# Altium PCB spin5v1_simple.PcbDoc (part 10 of 25)
Units mm, origin at the board's own origin, x right, y up, seen from the top; angles counter-clockwise.
Board outline 220.03 x 233.43 mm, 2 copper layers (TOP, BOTTOM), stack 0.176 mm thick; 1457 components, 4724 nets, 19245 pads, 25289 vias.
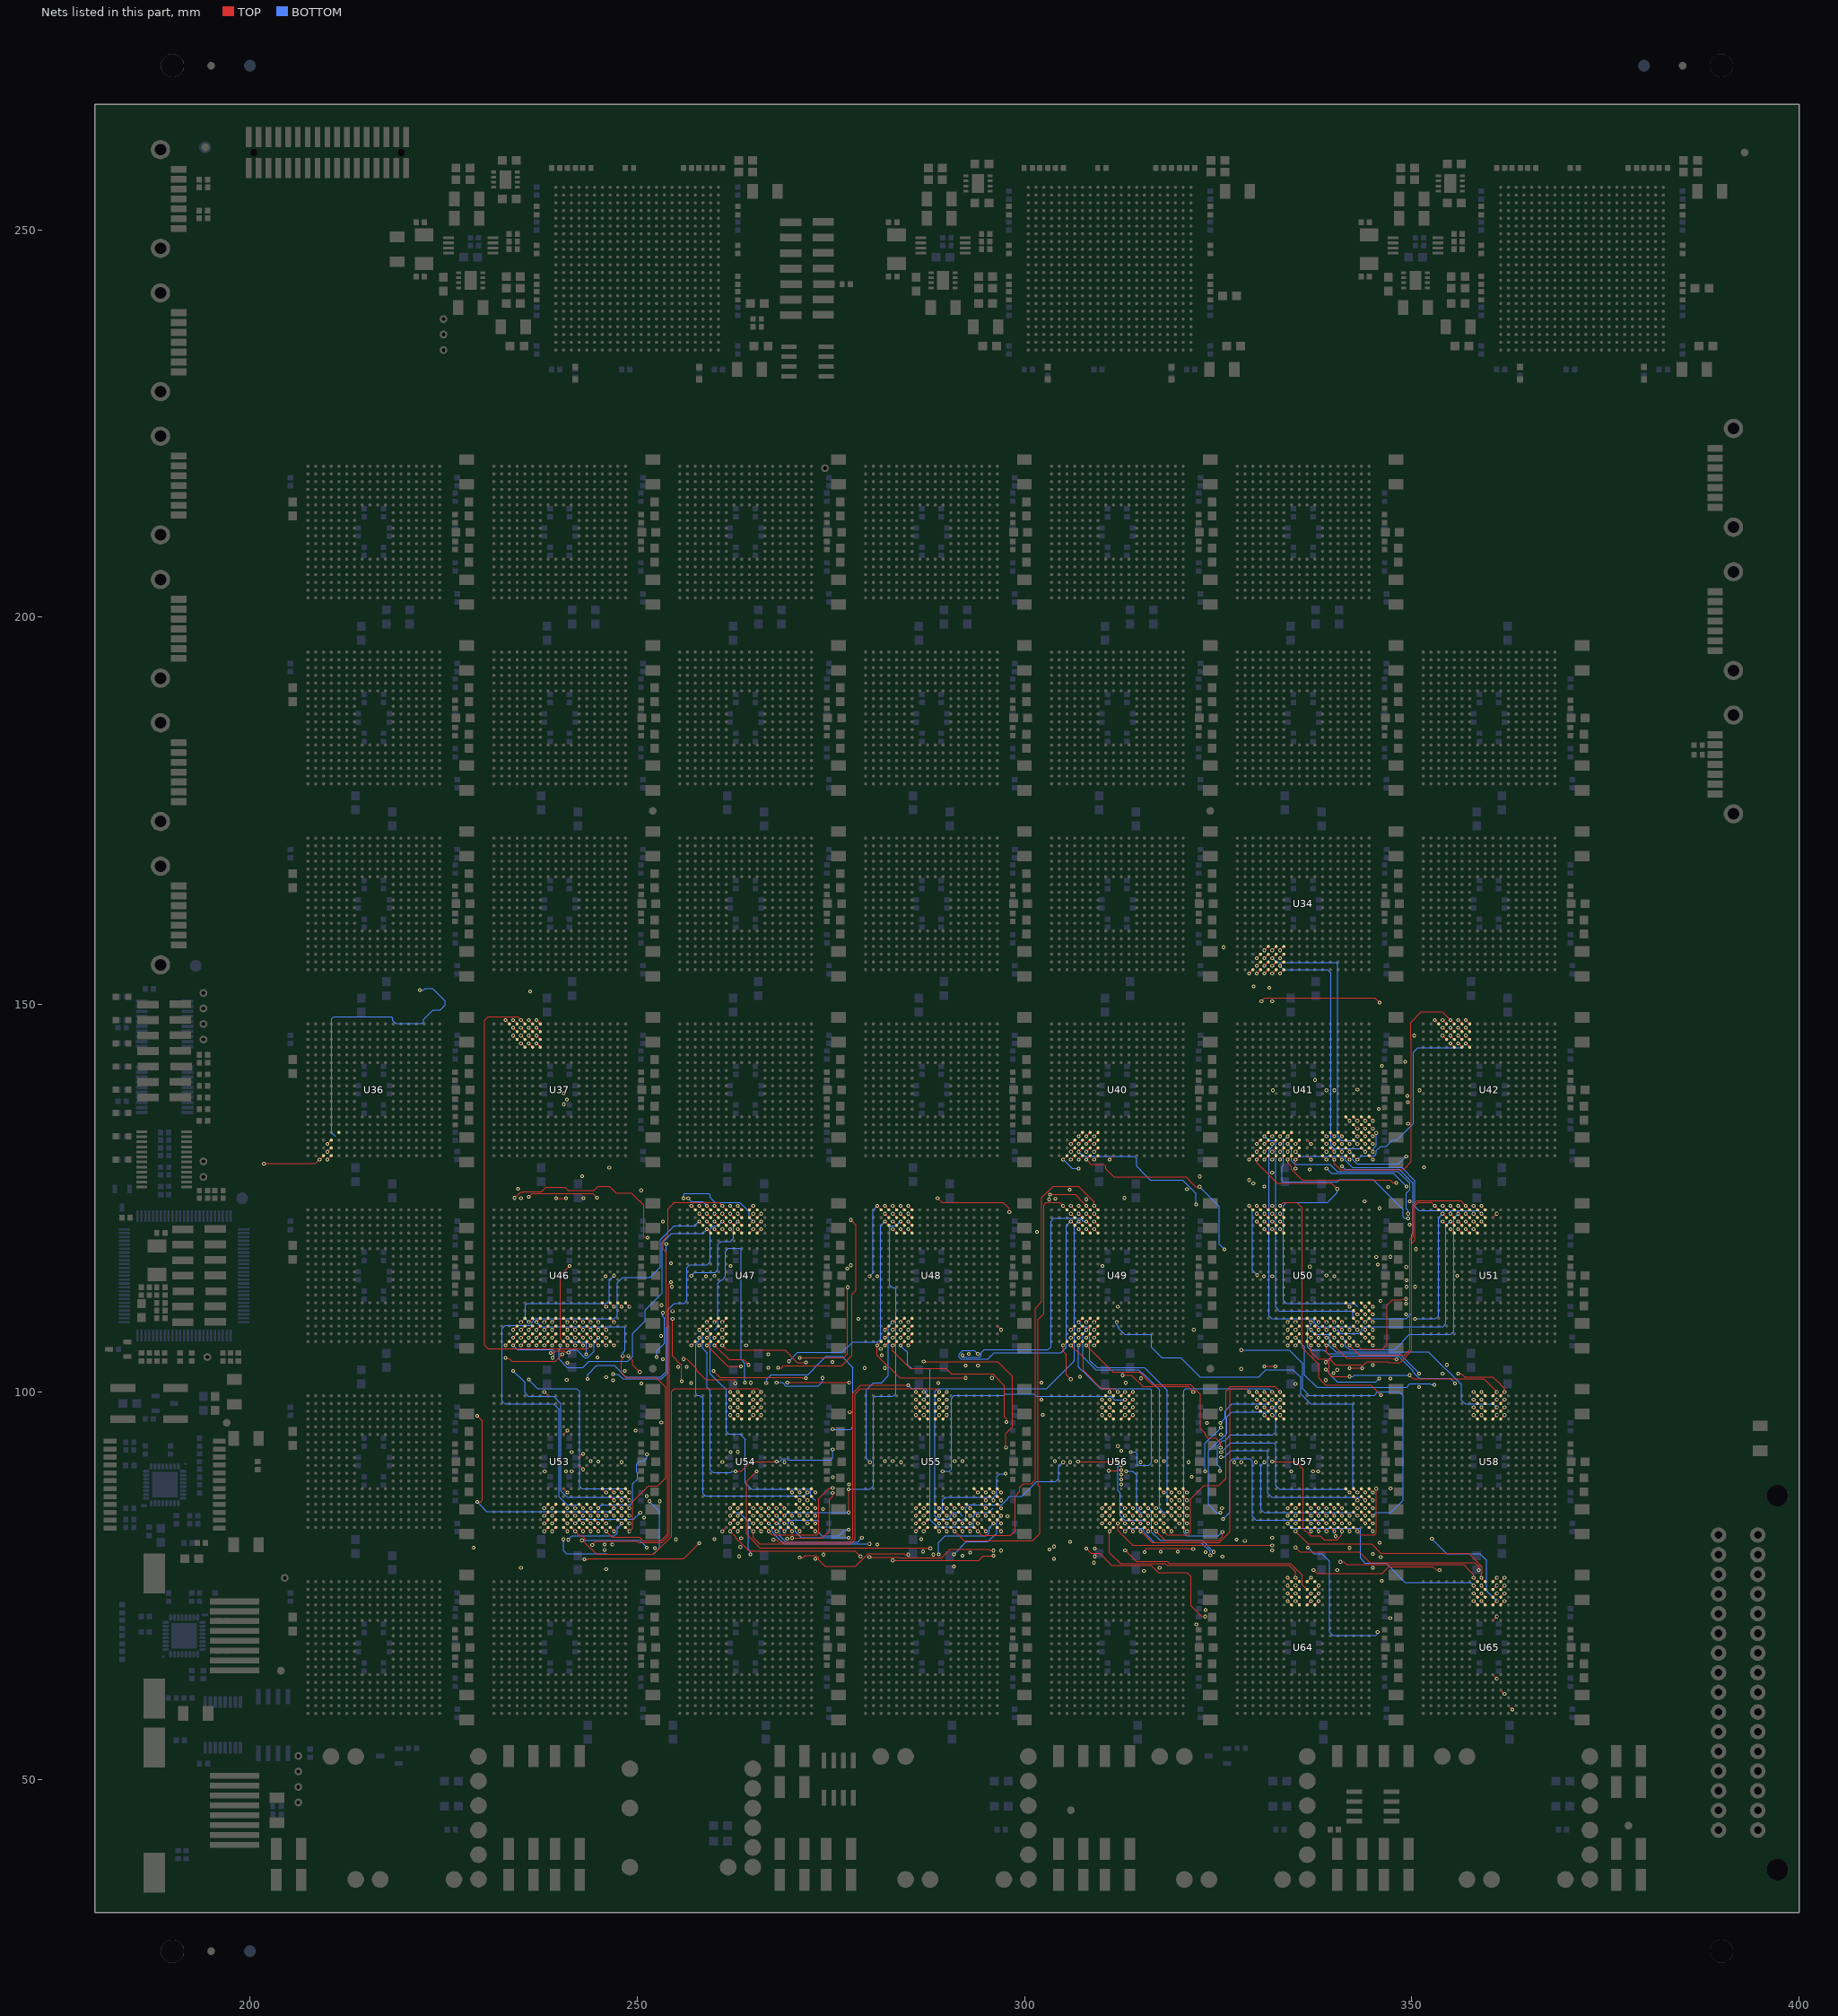
[diagram p10: the nets of this part, all layers, seen from the top]

## Via types
v1: diameter 0.48, hole 0.25, TOP to BOTTOM, 22348 vias
v2: diameter 0.61, hole 0.3, TOP to BOTTOM, 2059 vias
v3: diameter 0.8, hole 0, TOP to BOTTOM, 882 vias

## Nets (pads, with @x,y where several pads share a name; then routed paths per layer and width w, separated by ;. In a path a pad name is that pad's centre, name@x,y a point inside that pad or via, vN(x,y) a via of type N, cw(c..) or ccw(c..) an arc to the next point about the centre after c; other vN are vias at no path point) (continued)
S14_L0<9>: U41.V8 U51.A8 | length 15.7
  TOP w0.127: v1(334,130) 334,129.608 334.496,129.112 334.496,128.724 335.893,127.327 347.244,127.327 347.586,126.985 v1(348.017,126.985)
  other v1: 361,123 358,124 337,130 337,132 334,133
S14_L0<10>: U41.U8 U51.B8 | length 11.3
  BOTTOM w0.127: v1(339,128.845) 339.638,128.207 347.643,128.207 v1(349.327,126.523)
  other v1: 358,123 334,131
S14_L0<11>: U41.T8 U51.C8 | length 23
  BOTTOM w0.127: v1(334,132) 334.496,131.504 334.496,129.848 334.941,129.403 339.468,129.403 340.41,128.461 348.234,128.461 349.758,126.937 349.758,126.115 349.311,125.668 349.311,123.67 349.543,123.438 v1(349.543,123.007)
  other v1: 358,122
S14_L0<12>: U41.R8 U51.D8 | length 25.1
  BOTTOM w0.127: 334,133 333.431,132.431 333.431,129.26 333.259,129.088 333.259,127.234 333.359,127.134 340.383,127.134 340.665,127.416 345.022,127.416 348.896,123.542 348.896,122.599 349.095,122.4 v1(349.543,122.4)
  other v1: 358,121
S14_L0<13>: U41.V9 U51.A9 | length 1.2
  TOP w0.127: v1(335,128.845) v1(335,130)
  other v1: 359,124
S14_L0<14>: U41.U9 U51.B9 | length 29.4
  BOTTOM w0.127: v1(335,131) 335.569,130.431 341.232,130.431 341.431,130.232 341.431,129.922 342.384,128.969 348.712,128.969 350.427,127.254 350.427,123.939 350.935,123.431 358.569,123.431 v1(359,123)
S14_L0<15>: U41.T9 U51.C9
  other v1: 359,122 351.6,129.015 335,132
S14_L1<0>: U41.V16 U42.D7 | length 25.8
  BOTTOM w0.127: v1(343,130) 343.505,130.505 345.177,130.505 345.431,130.759 345.431,131.144 346.003,131.716 346.715,131.716 347.492,132.493 348.068,132.493 350.227,134.652 350.227,143.859 350.799,144.431 356.431,144.431 v1(357,145)
S14_L1<1>: U41.V14 U42.A6
  other v1: 341,130 351,138.931 356,148
S14_L1<2>: U41.U14 U42.B6
  other v1: 341,131 350.317,146 356,147
S14_L1<3>: U41.T14 U42.C6
  other v1: 341,132 356,146
S14_L1<4>: U41.R14 U42.D6
  other v1: 341,133 356,145
S14_L1<5>: U41.V15 U42.A7
  other v1: 342,130 357,148
S14_L1<6>: U41.U15 U42.B7 | length 8.7
  BOTTOM w0.127: v1(342,131) 342.431,130.569 342.431,129.942 342.939,129.434 348.351,129.434 v1(349.317,130.4)
  other v1: 357,147
S14_L1<7>: U41.T15 U42.C7
  other v1: 342,132 357,146
S14_L1<8>: U41.R13 U42.D5
  other v1: 340,133 349.499,137.4 355,145
S14_L1<9>: U41.V12 U42.A3
  other v1: 339,130 353,148
S14_L1<10>: U41.U12 U42.A4
  other v1: 339,131 337.545,140.258 354,148
S14_L1<11>: U41.T12 U42.B4
  other v1: 339,132 354,147
S14_L1<12>: U41.R12 U42.C4
  other v1: 339,133 349.456,138.2 354,146
S14_L1<13>: U41.V13 U42.A5 | length 35.3
  TOP w0.127: v1(340,130) 340,129.496 340.794,128.702 348.957,128.702 349.973,129.718 349.973,145.525 349.886,145.612 349.886,147.704 351.22,149.038 353.962,149.038 v1(355,148)
S14_L1<14>: U41.U13 U42.B5
  other v1: 340,131 355,147
S14_L1<15>: U41.T13 U42.C5
  other v1: 340,132 349.542,134.6 355,146
S14_L2<0>: U34.R5 U41.R16
  other v1: 343,133 349.167,142.6 331,157 325.727,157.4
S14_L2<1>: U34.V3 U41.N15
  other v1: 342,135 329,154
S14_L2<2>: U34.V4 U41.N16
  other v1: 343,135 330,154
S14_L2<3>: U34.U4 U41.N17
  other v1: 344,135 330,155
S14_L2<4>: U34.T4 U41.N18 | length 15.7
  TOP w0.127: v1(330.6,150.435) 331.034,150.869 345.266,150.869 v1(345.869,150.266)
  other v1: 345,135 330,156
S14_L2<5>: U34.V5 U41.P16
  other v1: 343,134 332.099,138.931 331,154
S14_L2<6>: U34.U5 U41.P17
  other v1: 344,134 331,155
S14_L2<7>: U34.T5 U41.P18
  other v1: 345,134 331,156
S14_L2<8>: U34.R7 U41.V18
  other v1: 332,128.319 345,130 329.6,152.351 333,157
S14_L2<9>: U34.V6 U41.R17
  other v1: 344,133 332,150.435 332,154
S14_L2<10>: U34.U6 U41.R18
  other v1: 345,133 340,138.931 343,139 332,155
S14_L2<11>: U34.T6 U41.T16 | length 34
  BOTTOM w0.127: v1(332,156) 332.569,155.431 340.232,155.431 340.431,155.232 340.431,132.939 340.939,132.431 342.569,132.431 v1(343,132)
S14_L2<12>: U34.R6 U41.T17
  other v1: 344,132 339,138.931 332,157
S14_L2<13>: U34.V7 U41.T18
  other v1: 345,132 331.6,152.162 333,154
S14_L2<14>: U34.U7 U41.U17 | length 34
  BOTTOM w0.127: v1(333,155) 333.5,154.5 339.124,154.5 339.569,154.055 339.569,131.812 339.95,131.431 343.569,131.431 v1(344,131)
S14_L2<15>: U34.T7 U41.U18 | length 2.6
  BOTTOM w0.127: v1(345,131) 345,131.391 345.431,131.822 v1(345.431,133.43)
  other v1: 333,156
S15_L0<0>: U50.R11 U58.D11
  other v1: 362,97 338,109 349.265,110
S15_L0<1>: U50.V10 U58.A10 | length 28.1
  TOP w0.127: v1(337,106) 337,105.156 337.889,104.267 339.149,104.267 339.348,104.068 339.348,102.307 339.666,101.989 v1(342,101.989) ; v1(349.739,102.154) 350.208,101.685 359.315,101.685 v1(361,100)
  BOTTOM w0.127: v1(342,101.989) 342.431,101.989 342.596,102.154 v1(349.739,102.154)
S15_L0<2>: U50.U10 U58.B10
  other v1: 361,99 354,102.37 337,107
S15_L0<3>: U50.T10 U58.C10 | length 30.1
  BOTTOM w0.127: v1(337,108) 337.569,107.431 339.232,107.431 339.431,107.232 339.431,105.93 340.193,105.168 352.176,105.168 356.431,100.913 356.431,98.939 356.939,98.431 360.569,98.431 v1(361,98)
S15_L0<4>: U50.R10 U58.D10 | length 19.2
  BOTTOM w0.127: 337,109 337,108.609 336.569,108.178 336.569,105.8 336.966,105.403 338.682,105.403 339.171,104.914 348.425,104.914 v1(350.969,102.37)
  other v1: 361,97
S15_L0<5>: U50.V11 U58.A11 | length 7.2
  TOP w0.127: v1(356,102.358) 356.431,102.358 356.431,102.32 356.812,101.939 360.488,101.939 361.504,100.923 361.504,100.888 362,100.392 v1(362,100)
  other v1: 338,106 337,109
S15_L0<6>: U50.U11 U58.B11 | length 18.6
  BOTTOM w0.127: v1(338.917,103.836) 339.741,104.66 348.265,104.66 350.17,102.755 350.17,102.55 350.996,101.724 354.969,101.724 v1(355.6,101.093)
  other v1: 362,99 338,107
S15_L0<7>: U50.T11 U58.C11
  other v1: 362,98 354.571,103.486 338,108
S15_L0<8>: U50.R9 U58.D9
  other v1: 359,97 350.969,100.607 335,101.01 335,109
S15_L0<9>: U50.V8 U58.A8
  other v1: 358,100 334,106
S15_L0<10>: U50.U8 U58.B8
  other v1: 358,99 334,107
S15_L0<11>: U50.T8 U58.C8
  other v1: 358,98 334,108 349.266,111.4 340,114.931
S15_L0<12>: U50.R8 U58.D8
  other v1: 358,97 334,109
S15_L0<13>: U50.V9 U58.A9
  other v1: 359,100 335,106
S15_L0<14>: U50.U9 U58.B9 | length 22.9
  BOTTOM w0.127: v1(335,107) 336.193,105.807 336.193,102.185 337.781,100.597 349.343,100.597 349.784,101.038 352.385,101.038 352.5,100.923 v1(352.931,100.923)
  other v1: 359,99
S15_L0<15>: U50.T9 U58.C9
  other v1: 359,98 335,108
S15_L1<0>: U50.V16 U51.D7 | length 12.1
  TOP w0.127: v1(343,106) 343.496,105.504 346.235,105.504 346.807,106.076 346.807,111.167 347.506,111.866 348.693,111.866 348.834,112.007 v1(349.265,112.007)
  other v1: 357,121
S15_L1<1>: U50.V14 U51.A6
  other v1: 341,106 356,124
S15_L1<2>: U50.U14 U51.B6 | length 31.9
  BOTTOM w0.127: v1(341,107) 341.431,106.569 341.431,105.942 341.939,105.434 347.831,105.434 348.911,106.514 348.911,106.605 349.737,107.431 355.05,107.431 355.431,107.812 355.431,122.431 v1(356,123)
S15_L1<3>: U50.T14 U51.C6
  other v1: 341,108 349.742,121.6 356,122
S15_L1<4>: U50.R14 U51.D6
  other v1: 341,109 350.542,118.43 356,121
S15_L1<5>: U50.V15 U51.A7 | length 34.7
  TOP w0.127: v1(342,106) 343.216,104.784 349.074,104.784 349.773,105.483 349.773,119.677 350.173,120.077 350.173,124.177 350.681,124.685 356.315,124.685 v1(357,124)
S15_L1<6>: U50.U15 U51.B7
  other v1: 342,107 349.342,114.393 355.901,115 357,123 345.862,123.708
S15_L1<7>: U50.T15 U51.C7
  other v1: 342,108 357,122
S15_L1<8>: U50.R13 U51.D5
  other v1: 340,109 355,121
S15_L1<9>: U50.V12 U51.A3 | length 35.5
  TOP w0.127: v1(339,106) 339,105.123 339.602,104.521 339.602,104.076 340.174,103.504 343.786,103.504 344.199,103.917 346.917,103.917 347.036,103.798 348.503,103.798 350.027,105.322 350.027,119.169 350.427,119.569 350.427,124.05 350.808,124.431 352.569,124.431 v1(353,124)
S15_L1<10>: U50.U12 U51.A4
  other v1: 339,107 354,124 343.932,124.607
S15_L1<11>: U50.T12 U51.B4 | length 16.6
  BOTTOM w0.127: v1(350.458,109.431) 353.086,109.431 353.483,109.828 353.483,122.483 v1(354,123)
  other v1: 339,108
S15_L1<12>: U50.R12 U51.C4
  other v1: 339,109 354,122
S15_L1<13>: U50.V13 U51.A5 | length 8.8
  TOP w0.127: v1(340,106) 341.634,104.366 347.475,104.366 347.612,104.229 v1(348.043,104.229)
  other v1: 349.303,116.117 355,124
S15_L1<14>: U50.U13 U51.B5
  other v1: 340,107 355,123
S15_L1<15>: U50.T13 U51.C5 | length 28.7
  BOTTOM w0.127: v1(340,108) 340.391,108 340.822,107.569 343.188,107.569 343.569,107.95 343.569,108.232 343.768,108.431 354.05,108.431 354.431,108.812 354.431,121.431 v1(355,122)
S15_L2<0>: U41.R5 U50.R16 | length 34.8
  BOTTOM w0.127: v1(331,133) 331.569,132.431 332.232,132.431 332.431,132.232 332.431,110.939 332.939,110.431 342.232,110.431 342.431,110.232 342.431,109.569 v1(343,109)
S15_L2<1>: U41.V3 U50.N15
  other v1: 342,111 329,127.349 329,130
S15_L2<2>: U41.V4 U50.N16 | length 42.5
  TOP w0.127: v1(330,130) 330,129.554 332.604,126.95 339.637,126.95 v1(340.4,126.187)
  BOTTOM w0.127: v1(340.4,126.187) 340.4,125.701 339.13,124.431 333.82,124.431 333.439,124.05 333.439,111.828 333.836,111.431 342.569,111.431 343,111
S15_L2<3>: U41.U4 U50.N17
  other v1: 344,111 330,131
S15_L2<4>: U41.T4 U50.N18
  other v1: 345,111 330,132
S15_L2<5>: U41.V5 U50.P16
  other v1: 343,110 331,126.519 331,130
S15_L2<6>: U41.U5 U50.P17
  other v1: 344,110 349.342,113.57 350.458,113.57 331,131 345.763,136.534 346.163,142.096
S15_L2<7>: U41.T5 U50.P18
  other v1: 345,110 329.569,126.919 331,132
S15_L2<8>: U41.R7 U50.V18
  other v1: 345,106 332,114.931 333,133
S15_L2<9>: U41.V6 U50.R17 | length 33.4
  BOTTOM w0.127: v1(341,129.133) 341.418,128.715 348.395,128.715 350.173,126.937 350.173,120.504 350.027,120.358 350.027,110.13 349.328,109.431 344.431,109.431 v1(344,109)
  other v1: 332,130
S15_L2<10>: U41.U6 U50.R18
  other v1: 345,109 345.639,116.431 332,131
S15_L2<11>: U41.T6 U50.T16 | length 34.7
  BOTTOM w0.127: v1(332,132) 332,131.609 331.569,131.178 331.569,109.812 331.95,109.431 337.232,109.431 337.431,109.232 337.431,108.939 337.939,108.431 342.569,108.431 v1(343,108)
S15_L2<12>: U41.R6 U50.T17
  other v1: 344,108 345.431,117.43 332,133
S15_L2<13>: U41.V7 U50.T18
  other v1: 345,108 347.237,117.438 333,130
S15_L2<14>: U41.U7 U50.U17 | length 1.6
  TOP w0.127: v1(342,103.073) v1(343.6,103.073)
  other v1: 344,107 336.822,128.719 333,131
S15_L2<15>: U41.T7 U50.U18
  other v1: 345,107 346.001,111.732 333,132
S16_L0<0>: U57.R11 U65.D11 | length 17
  TOP w0.127: v1(337.328,77) 337.759,76.569 346.201,76.569 346.598,76.966 346.598,76.986 347.043,77.431 352.739,77.431 353.169,77.001 v1(353.6,77.001)
  other v1: 362,73 338,85
S16_L0<1>: U57.V10 U65.A10
  other v1: 361,76 346.007,78.663 337,82
S16_L0<2>: U57.U10 U65.B10
  other v1: 361,75 340.197,81.372 337,83
S16_L0<3>: U57.T10 U65.C10
  other v1: 361,74 342,79.863 337,84
S16_L0<4>: U57.R10 U65.D10 | length 14
  BOTTOM w0.127: v1(352.607,81.042) 354.529,79.12 358.796,79.12 359.685,78.231 359.685,74.315 v1(361,73)
  other v1: 337,85
S16_L0<5>: U57.V11 U65.A11
  other v1: 362,76 345.863,80.525 338,82
S16_L0<6>: U57.U11 U65.B11
  other v1: 362,75 346.168,75.6 338,83
S16_L0<7>: U57.T11 U65.C11 | length 19.4
  BOTTOM w0.127: v1(336.6,79.893) 337.373,79.12 338.415,79.12 339.431,78.104 339.431,68.95 339.812,68.569 345.367,68.569 345.607,68.809 v1(345.607,69)
  other v1: 362,74 338,84
S16_L0<8>: U57.R9 U65.D9
  other v1: 359,73 335,85
S16_L0<9>: U57.V8 U65.A8 | length 18.3
  TOP w0.127: v1(340.8,78.062) 341.231,78.062 341.589,77.704 356.71,77.704 357.504,76.91 357.504,76.888 358,76.392 v1(358,76)
  other v1: 363,59 362,61 361,63 361,71
S16_L0<10>: U57.U8 U65.B8 | length 29.5
  BOTTOM w0.127: v1(334,83) 334.569,82.431 343.232,82.431 343.431,82.232 343.431,78.516 343.685,78.262 343.685,78.2 344.003,77.882 346.699,77.882 349.15,75.431 357.569,75.431 v1(358,75)
S16_L0<11>: U57.T8 U65.C8
  other v1: 358,74 345,77.273 334,84
S16_L0<12>: U57.R8 U65.D8
  other v1: 347.227,70.8 358,73 334,85
S16_L0<13>: U57.V9 U65.A9 | length 27.5
  TOP w0.127: v1(335,82) 336.644,80.356 344.831,80.356 346.033,79.154 357.388,79.154 359.103,77.439 359.103,76.534 359,76.431 v1(359,76)
S16_L0<14>: U57.U9 U65.B9 | length 25.1
  TOP w0.127: v1(335,79.925) 335.577,79.348 343.244,79.348 344.634,77.958 358.164,77.958 358.672,77.45 v1(358.672,77.001)
  other v1: 359,75 335,83
S16_L0<15>: U57.T9 U65.C9
  other v1: 359,74 345.001,79.063 335,84
S16_L1<0>: U50.D7 U57.V16 | length 8.4
  TOP w0.127: v1(343,82) 343.431,81.569 345.232,81.569 345.431,81.768 v1(345.431,87.499)
  other v1: 337.912,89.742 333,121
S16_L1<1>: U50.A6 U57.V14 | length 18.4
  TOP w0.127: v1(332.001,91) 334.984,91 336,89.984 336,82.356 336.953,81.403 338.205,81.403 338.701,80.907 340.365,80.907 341,81.542 v1(341,82)
  other v1: 332,124
S16_L1<2>: U50.B6 U57.U14
  other v1: 341,83 332,123
S16_L1<3>: U50.C6 U57.T14
  other v1: 325.574,78.728 341,84 328,102.974 332,122
S16_L1<4>: U50.D6 U57.R14
  other v1: 341,85 340.4,102.85 332,121
S16_L1<5>: U50.A7 U57.V15 | length 35.1
  TOP w0.127: v1(333,124) 333.431,124.431 335.192,124.431 335.891,123.732 335.891,105.664 337.542,104.013 337.555,104.013 338,103.568 338,101.794 338.496,101.298 338.496,101.285 338.893,100.888 344.721,100.888 v1(346.04,99.569)
  other v1: 342,82
S16_L1<6>: U50.B7 U57.U15
  other v1: 342,83 347.281,87.527 347.255,101.723 333,123 346.968,126.438
S16_L1<7>: U50.C7 U57.T15
  other v1: 342,84 345,103.47 333,122
S16_L1<8>: U50.D5 U57.R13
  other v1: 340,85 336.858,116.172 331,121
S16_L1<9>: U50.A3 U57.V12 | length 9.4
  BOTTOM w0.127: v1(329,124) 329.432,123.568 329.432,115.701 v1(330.067,115.066)
  other v1: 339,82
S16_L1<10>: U50.A4 U57.U12 | length 28
  BOTTOM w0.127: v1(325.656,83.601) 326.535,84.48 326.535,90.981 326.916,91.362 329.113,91.362 329.431,91.044 329.431,83.939 329.939,83.431 338.569,83.431 v1(339,83)
  other v1: 330,124
S16_L1<11>: U50.B4 U57.T12
  other v1: 327.4,80.935 339,84 330,123
S16_L1<12>: U50.C4 U57.R12
  other v1: 339,85 328,90.931 330,122
S16_L1<13>: U50.A5 U57.V13
  other v1: 340,82 331,124
S16_L1<14>: U50.B5 U57.U13
  other v1: 340,83 327.099,90.931 331,123
S16_L1<15>: U50.C5 U57.T13
  other v1: 340,84 329.901,90.931 331,122
S16_L2<0>: U40.R5 U57.R16
  other v1: 343,85 307,133
S16_L2<1>: U40.V3 U57.N15 | length 25.3
  BOTTOM w0.127: v1(305,130) 306.156,128.844 v1(307,128.844) ; v1(325.399,92.214) 325.773,92.588 325.773,92.605 326.599,93.431 332.178,93.431 332.432,93.177 332.432,87.939 332.94,87.431 341.569,87.431 v1(342,87)
S16_L2<2>: U40.V4 U57.N16 | length 49.7
  BOTTOM w0.127: v1(311.931,109) 311.931,108.569 312.185,108.315 312.185,108.193 312.947,107.431 316.232,107.431 316.431,107.232 316.431,105.745 317.765,104.411 320.169,104.411 322.644,101.936 330.252,101.936 331.182,102.866 334.669,102.866 335.685,101.85 335.685,99.701 336.955,98.431 342.232,98.431 342.431,98.232 342.431,87.569 v1(343,87)
  other v1: 306,130
S16_L2<3>: U40.U4 U57.N17
  other v1: 344,87 338.918,101.518 315.065,101.758 306,131
S16_L2<4>: U40.T4 U57.N18
  other v1: 345,87 337.264,89.742 305.862,126.1 306,132
S16_L2<5>: U40.V5 U57.P16
  other v1: 343,86 321,126.158 307,130
S16_L2<6>: U40.U5 U57.P17 | length 44.1
  BOTTOM w0.127: v1(307,131) 307.569,130.431 314.178,130.431 314.496,130.113 314.496,129.169 314.995,128.67 314.995,128.644 316.265,127.374 320.401,127.374 322.179,125.596 v1(322.179,124.207) ; v1(325.399,91.607) 325.869,91.607 326.693,92.431 331.232,92.431 331.431,92.232 331.431,86.939 331.939,86.431 343.569,86.431 v1(344,86)
  other v1: 325.372,97.808
S16_L2<7>: U40.T5 U57.P18
  other v1: 325.517,85.007 345,86 334.455,89.742 307,132
S16_L2<8>: U40.R7 U57.V18
  other v1: 345,82 309,133
S16_L2<9>: U40.V6 U57.R17 | length 25.7
  TOP w0.127: v1(308,130) 308.597,129.403 310.242,129.403 310.496,129.149 310.496,128.808 311.576,127.728 320.859,127.728 321.685,126.902 321.685,126.882 322.082,126.485 v1(322.61,126.485)
  BOTTOM w0.127: v1(322.61,126.485) 324.34,124.755 324.356,124.755 325.15,123.961 325.15,119.092 v1(325.842,118.4)
  other v1: 344,85 330.93,114.931 339.001,115.035 311,130
S16_L2<10>: U40.U6 U57.R18 | length 7.8
  BOTTOM w0.127: v1(338.917,102.866) 339.349,102.434 339.349,102.308 340.365,101.292 345.369,101.292 v1(345.8,101.723)
  other v1: 345,85 312.933,125.028 308,131
S16_L2<11>: U40.T6 U57.T16 | length 19.1
  BOTTOM w0.127: v1(331,90.931) 330.569,90.5 330.569,84.812 330.95,84.431 342.569,84.431 v1(343,84)
  other v1: 312.507,88.674 304,124.966 308,132
S16_L2<12>: U40.R6 U57.T17
  other v1: 344,84 349.742,124.6 322.655,127.807 308,133
S16_L2<13>: U40.V7 U57.T18 | length 43.8
  BOTTOM w0.127: v1(328,105.393) 328.431,105.393 328.441,105.403 334.224,105.403 335.939,103.688 335.939,100.395 336.765,99.569 345.178,99.569 345.609,100 348.388,100 348.896,99.492 348.896,86.019 347.308,84.431 345.431,84.431 v1(345,84)
  other v1: 309,130
S16_L2<14>: U40.U7 U57.U17
  other v1: 340.4,77.012 323.397,79.306 344,83 321.862,108 310.067,116.242 309,131
S16_L2<15>: U40.T7 U57.U18
  other v1: 345,83 339.885,102.42 309,132
S17_L0<0>: U56.R11 U64.D11
  other v1: 338,73 314,85
S17_L0<1>: U56.V10 U64.A10 | length 13.1
  BOTTOM w0.127: v1(313,82) 313.432,82.432 315.177,82.432 315.431,82.178 315.431,81.911 316.765,80.577 322.797,80.577 324.004,79.37 v1(324.004,78.906)
  other v1: 337,76
S17_L0<2>: U56.U10 U64.B10 | length 26.3
  TOP w0.127: v1(313.001,79.551) 314.427,78.125 318.428,78.125 318.71,77.843 334.367,77.843 335.891,76.319 335.891,75.109 U64.B10@336.5,74.5
  other v1: 313,83
S17_L0<3>: U56.T10 U64.C10
  other v1: 337,74 313,84
S17_L0<4>: U56.R10 U64.D10
  other v1: 337,73 313,85
S17_L0<5>: U56.V11 U64.A11
  other v1: 317.455,77.286 314,82
S17_L0<6>: U56.U11 U64.B11 | length 21.2
  TOP w0.127: v1(308,79.784) 308.595,79.189 309.702,79.189 310.496,78.395 310.496,78.383 311.29,77.589 316.372,77.589 317.276,76.685 320.986,76.685 321.494,76.177 321.494,72.397 322.891,71 v1(323.333,71)
  other v1: 338,75 314,83
S17_L0<7>: U56.T11 U64.C11
  other v1: 338,74 314,84
S17_L0<8>: U56.R9 U64.D9
  other v1: 335,73 311,85
S17_L0<9>: U56.V8 U64.A8
  other v1: 334,76 309.083,78.758
S17_L0<10>: U56.U8 U64.B8
  other v1: 334,75 332.001,81.181 310,83 312.5,88.067
S17_L0<11>: U56.T8 U64.C8
  other v1: 322.214,70 323.397,71.842 334,74 310,84
S17_L0<12>: U56.R8 U64.D8 | length 21.6
  TOP w0.127: v1(312.069,83) 312.069,82.102 313.974,80.197 v1(332,80.197)
  other v1: 334,73 310,85
S17_L0<13>: U56.V9 U64.A9 | length 28.6
  TOP w0.127: v1(311,82) 311,79.254 312.397,77.857 318.181,77.857 318.449,77.589 334.206,77.589 335,76.795 v1(335,76)
S17_L0<14>: U56.U9 U64.B9
  other v1: 335,75 315.43,76.862 311,83
S17_L0<15>: U56.T9 U64.C9
  other v1: 335,74 317.6,79.356 332,79.525 311,84
S17_L1<0>: U56.V16 U57.D7 | length 1.4
  TOP w0.127: v1(331,103.297) v1(332.4,103.297)
  other v1: 319,82 333,97
S17_L1<1>: U56.V14 U57.A6 | length 45.4
  TOP w0.127: v1(317,82) 318.216,80.784 325.063,80.784 325.571,81.292 v1(325.571,81.935)
  BOTTOM w0.127: v1(325.571,81.935) 325.07,81.434 320.95,81.434 320.569,81.815 320.569,100.178 320.823,100.432 331.568,100.432 v1(332,100)
S17_L1<2>: U56.U14 U57.B6 | length 8.5
  BOTTOM w0.127: v1(325.316,96.007) 325.888,96.579 325.888,97.542 326.777,98.431 331.431,98.431 v1(332,99)
  other v1: 317,83 317,91.067
S17_L1<3>: U56.T14 U57.C6 | length 20.7
  BOTTOM w0.127: v1(325.317,84.4) 324.834,84.4 323.754,85.48 323.754,92.351 325.342,93.939 325.443,93.939 326.142,94.638 326.142,96.796 326.777,97.431 331.431,97.431 v1(332,98)
  other v1: 317,84
S17_L1<4>: U56.R14 U57.D6 | length 6.5
  BOTTOM w0.127: v1(323.323,89.724) 323.323,93.337 v1(325.386,95.4)
  other v1: 317,85 332,97
S17_L1<5>: U56.V15 U57.A7 | length 32.5
  TOP w0.127: v1(318,82) 318.431,81.569 321.232,81.569 321.431,81.768 321.431,86.152 323.209,87.93 325.114,87.93 326.003,88.819 326.003,100.05 326.638,100.685 332.315,100.685 v1(333,100)
S17_L1<6>: U56.U15 U57.B7 | length 16.1
  BOTTOM w0.127: v1(325.265,89.8) 325.265,90.231 324.911,90.585 324.911,93.05 325.546,93.685 325.888,93.685 326.396,94.193 326.396,94.232 326.595,94.431 332.05,94.431 332.431,94.812 332.431,98.431 v1(333,99)

## Text inside footprints (layer, text, board x,y; h text height)
U23: PIN_NUMBER "M17" at 247.166,184.5 h0.24; PIN_NUMBER "M18" at 248.166,184.5 h0.24; PIN_NUMBER "J17" at 247.166,187.5 h0.24; PIN_NUMBER "J18" at 248.166,187.5 h0.24; PIN_NUMBER "J16" at 246.166,187.5 h0.24; PIN_NUMBER "C17" at 247.166,193.5 h0.24; PIN_NUMBER "C18" at 248.166,193.5 h0.24; PIN_NUMBER "A8" at 237.854,195.5 h0.24; PIN_NUMBER "D9" at 238.854,192.5 h0.24; PIN_NUMBER "C11" at 241.166,193.5 h0.24; PIN_NUMBER "B11" at 241.166,194.5 h0.24; PIN_NUMBER "A11" at 241.166,195.5 h0.24; PIN_NUMBER "D10" at 239.936,192.5 h0.24; PIN_NUMBER "C10" at 239.936,193.5 h0.24; PIN_NUMBER "B10" at 239.936,194.5 h0.24; PIN_NUMBER "A10" at 239.936,195.5 h0.24; PIN_NUMBER "C9" at 238.854,193.5 h0.24; PIN_NUMBER "B9" at 238.854,194.5 h0.24; PIN_NUMBER "A9" at 238.854,195.5 h0.24; PIN_NUMBER "D8" at 237.854,192.5 h0.24; PIN_NUMBER "C8" at 237.854,193.5 h0.24; PIN_NUMBER "B8" at 237.854,194.5 h0.24; PIN_NUMBER "D11" at 241.166,192.5 h0.24; PIN_NUMBER "D16" at 246.166,192.5 h0.24; PIN_NUMBER "K15" at 245.166,186.5 h0.24; PIN_NUMBER "K16" at 246.166,186.5 h0.24; PIN_NUMBER "E18" at 248.166,191.5 h0.24; PIN_NUMBER "F16" at 246.166,190.5 h0.24; PIN_NUMBER "M16" at 246.166,184.5 h0.24; PIN_NUMBER "B18" at 248.166,194.5 h0.24; PIN_NUMBER "G16" at 246.166,189.5 h0.24; PIN_NUMBER "C16" at 246.166,193.5 h0.24; PIN_NUMBER "G17" at 247.166,189.5 h0.24; PIN_NUMBER "P14" at 244.166,182.5 h0.24; PIN_NUMBER "N13" at 243.166,183.5 h0.24; PIN_NUMBER "N14" at 244.166,183.5 h0.24; PIN_NUMBER "M12" at 242.166,184.5 h0.24; PIN_NUMBER "M13" at 243.166,184.5 h0.24; PIN_NUMBER "M14" at 244.166,184.5 h0.24; PIN_NUMBER "H12" at 242.166,188.5 h0.24; PIN_NUMBER "H13" at 243.166,188.5 h0.24; PIN_NUMBER "H14" at 244.166,188.5 h0.24; PIN_NUMBER "E6" at 235.854,191.5 h0.24; PIN_NUMBER "E7" at 236.854,191.5 h0.24; PIN_NUMBER "F7" at 236.854,190.5 h0.24; PIN_NUMBER "E8" at 237.854,191.5 h0.24; PIN_NUMBER "F8" at 237.854,190.5 h0.24; PIN_NUMBER "L5" at 234.854,185.5 h0.24; PIN_NUMBER "L6" at 235.854,185.5 h0.24; PIN_NUMBER "L7" at 236.854,185.5 h0.24; PIN_NUMBER "G7" at 236.854,189.5 h0.24; PIN_NUMBER "G5" at 234.854,189.5 h0.24; PIN_NUMBER "G6" at 235.854,189.5 h0.24; PIN_NUMBER "F5" at 234.854,190.5 h0.24; PIN_NUMBER "F6" at 235.854,190.5 h0.24; PIN_NUMBER "E5" at 234.854,191.5 h0.24; PIN_NUMBER "P11" at 241.166,182.5 h0.24; PIN_NUMBER "N11" at 241.166,183.5 h0.24; PIN_NUMBER "P12" at 242.166,182.5 h0.24; PIN_NUMBER "N12" at 242.166,183.5 h0.24; PIN_NUMBER "P13" at 243.166,182.5 h0.24; PIN_NUMBER "K12" at 242.166,186.5 h0.24; PIN_NUMBER "K13" at 243.166,186.5 h0.24; PIN_NUMBER "K14" at 244.166,186.5 h0.24; PIN_NUMBER "E10" at 239.936,191.5 h0.24; PIN_NUMBER "F10" at 239.936,190.5 h0.24; PIN_NUMBER "J5" at 234.854,187.5 h0.24; PIN_NUMBER "J6" at 235.854,187.5 h0.24; PIN_NUMBER "J7" at 236.854,187.5 h0.24; PIN_NUMBER "N9" at 238.854,183.5 h0.24; PIN_NUMBER "P9" at 238.854,182.5 h0.24; PIN_NUMBER "C13" at 243.166,193.5 h0.24; PIN_NUMBER "B13" at 243.166,194.5 h0.24; PIN_NUMBER "A13" at 243.166,195.5 h0.24; PIN_NUMBER "D14" at 244.166,192.5 h0.24; PIN_NUMBER "C14" at 244.166,193.5 h0.24; PIN_NUMBER "B14" at 244.166,194.5 h0.24; PIN_NUMBER "A14" at 244.166,195.5 h0.24; PIN_NUMBER "K17" at 247.166,186.5 h0.24; PIN_NUMBER "K18" at 248.166,186.5 h0.24; PIN_NUMBER "L15" at 245.166,185.5 h0.24; PIN_NUMBER "L16" at 246.166,185.5 h0.24; PIN_NUMBER "V8" at 237.854,178.5 h0.24; PIN_NUMBER "R9" at 238.854,181.5 h0.24; PIN_NUMBER "T11" at 241.166,180.5 h0.24; PIN_NUMBER "U11" at 241.166,179.5 h0.24; PIN_NUMBER "V11" at 241.166,178.5 h0.24; PIN_NUMBER "R10" at 239.936,181.5 h0.24; PIN_NUMBER "T10" at 239.936,180.5 h0.24; PIN_NUMBER "U10" at 239.936,179.5 h0.24; PIN_NUMBER "V10" at 239.936,178.5 h0.24; PIN_NUMBER "T9" at 238.854,180.5 h0.24; PIN_NUMBER "U9" at 238.854,179.5 h0.24; PIN_NUMBER "V9" at 238.854,178.5 h0.24; PIN_NUMBER "R8" at 237.854,181.5 h0.24; PIN_NUMBER "T8" at 237.854,180.5 h0.24; PIN_NUMBER "U8" at 237.854,179.5 h0.24; PIN_NUMBER "R11" at 241.166,181.5 h0.24; PIN_NUMBER "R17" at 247.166,181.5 h0.24; PIN_NUMBER "V18" at 248.166,178.5 h0.24; PIN_NUMBER "P18" at 248.166,182.5 h0.24; PIN_NUMBER "P17" at 247.166,182.5 h0.24; PIN_NUMBER "P16" at 246.166,182.5 h0.24; PIN_NUMBER "N18" at 248.166,183.5 h0.24; PIN_NUMBER "N17" at 247.166,183.5 h0.24; PIN_NUMBER "N16" at 246.166,183.5 h0.24; PIN_NUMBER "N15" at 245.166,183.5 h0.24; PIN_NUMBER "U18" at 248.166,179.5 h0.24; PIN_NUMBER "U17" at 247.166,179.5 h0.24; PIN_NUMBER "T18" at 248.166,180.5 h0.24; PIN_NUMBER "T17" at 247.166,180.5 h0.24; PIN_NUMBER "T16" at 246.166,180.5 h0.24; PIN_NUMBER "R18" at 248.166,181.5 h0.24; PIN_NUMBER "R16" at 246.166,181.5 h0.24; PIN_NUMBER "V12" at 242.166,178.5 h0.24; PIN_NUMBER "R13" at 243.166,181.5 h0.24; PIN_NUMBER "T15" at 245.166,180.5 h0.24; PIN_NUMBER "U15" at 245.166,179.5 h0.24; PIN_NUMBER "V15" at 245.166,178.5 h0.24; PIN_NUMBER "R14" at 244.166,181.5 h0.24; PIN_NUMBER "T14" at 244.166,180.5 h0.24; PIN_NUMBER "U14" at 244.166,179.5 h0.24; PIN_NUMBER "V14" at 244.166,178.5 h0.24; PIN_NUMBER "T13" at 243.166,180.5 h0.24; PIN_NUMBER "U13" at 243.166,179.5 h0.24; PIN_NUMBER "V13" at 243.166,178.5 h0.24; PIN_NUMBER "R12" at 242.166,181.5 h0.24; PIN_NUMBER "T12" at 242.166,180.5 h0.24; PIN_NUMBER "U12" at 242.166,179.5 h0.24; PIN_NUMBER "V16" at 246.166,178.5 h0.24; PIN_NUMBER "A3" at 232.854,195.5 h0.24; PIN_NUMBER "D5" at 234.854,192.5 h0.24; PIN_NUMBER "C7" at 236.854,193.5 h0.24; PIN_NUMBER "B7" at 236.854,194.5 h0.24; PIN_NUMBER "A7" at 236.854,195.5 h0.24; PIN_NUMBER "D6" at 235.854,192.5 h0.24; PIN_NUMBER "C6" at 235.854,193.5 h0.24; PIN_NUMBER "B6" at 235.854,194.5 h0.24; PIN_NUMBER "A6" at 235.854,195.5 h0.24; PIN_NUMBER "C5" at 234.854,193.5 h0.24; PIN_NUMBER "B5" at 234.854,194.5 h0.24; PIN_NUMBER "A5" at 234.854,195.5 h0.24; PIN_NUMBER "C4" at 233.854,193.5 h0.24; PIN_NUMBER "B4" at 233.854,194.5 h0.24; PIN_NUMBER "A4" at 233.854,195.5 h0.24; PIN_NUMBER "D7" at 236.854,192.5 h0.24; PIN_NUMBER "V6" at 235.854,178.5 h0.24; PIN_NUMBER "R7" at 236.854,181.5 h0.24; PIN_NUMBER "T5" at 234.854,180.5 h0.24; PIN_NUMBER "U5" at 234.854,179.5 h0.24; PIN_NUMBER "V5" at 234.854,178.5 h0.24; PIN_NUMBER "T4" at 233.854,180.5 h0.24; PIN_NUMBER "U4" at 233.854,179.5 h0.24; PIN_NUMBER "V4" at 233.854,178.5 h0.24; PIN_NUMBER "V3" at 232.854,178.5 h0.24; PIN_NUMBER "T7" at 236.854,180.5 h0.24; PIN_NUMBER "U7" at 236.854,179.5 h0.24; PIN_NUMBER "V7" at 236.854,178.5 h0.24; PIN_NUMBER "R6" at 235.854,181.5 h0.24; PIN_NUMBER "T6" at 235.854,180.5 h0.24; PIN_NUMBER "U6" at 235.854,179.5 h0.24; PIN_NUMBER "R5" at 234.854,181.5 h0.24; PIN_NUMBER "C15" at 245.166,193.5 h0.24; PIN_NUMBER "B15" at 245.166,194.5 h0.24; PIN_NUMBER "A15" at 245.166,195.5 h0.24; PIN_NUMBER "B16" at 246.166,194.5 h0.24; PIN_NUMBER "A16" at 246.166,195.5 h0.24; PIN_NUMBER "A17" at 247.166,195.5 h0.24; PIN_NUMBER "A18" at 248.166,195.5 h0.24; PIN_NUMBER "B17" at 247.166,194.5 h0.24; PIN_NUMBER "H16" at 246.166,188.5 h0.24; PIN_NUMBER "H15" at 245.166,188.5 h0.24; PIN_NUMBER "B12" at 242.166,194.5 h0.24; PIN_NUMBER "C12" at 242.166,193.5 h0.24; PIN_NUMBER "A12" at 242.166,195.5 h0.24; PIN_NUMBER "D13" at 243.166,192.5 h0.24; PIN_NUMBER "F17" at 247.166,190.5 h0.24; PIN_NUMBER "F18" at 248.166,190.5 h0.24; PIN_NUMBER "D17" at 247.166,192.5 h0.24; PIN_NUMBER "D18" at 248.166,192.5 h0.24; PIN_NUMBER "E16" at 246.166,191.5 h0.24; PIN_NUMBER "E17" at 247.166,191.5 h0.24; PIN_NUMBER "L12" at 242.166,185.5 h0.24; PIN_NUMBER "L13" at 243.166,185.5 h0.24; PIN_NUMBER "L14" at 244.166,185.5 h0.24; PIN_NUMBER "L17" at 247.166,185.5 h0.24; PIN_NUMBER "L18" at 248.166,185.5 h0.24; PIN_NUMBER "J12" at 242.166,187.5 h0.24; PIN_NUMBER "J13" at 243.166,187.5 h0.24; PIN_NUMBER "J14" at 244.166,187.5 h0.24; PIN_NUMBER "H17" at 247.166,188.5 h0.24; PIN_NUMBER "H18" at 248.166,188.5 h0.24; PIN_NUMBER "G12" at 242.166,189.5 h0.24; PIN_NUMBER "G13" at 243.166,189.5 h0.24; PIN_NUMBER "G14" at 244.166,189.5 h0.24; PIN_NUMBER "F13" at 243.166,190.5 h0.24; PIN_NUMBER "F14" at 244.166,190.5 h0.24; PIN_NUMBER "E14" at 244.166,191.5 h0.24; PIN_NUMBER "E9" at 238.854,191.5 h0.24; PIN_NUMBER "F9" at 238.854,190.5 h0.24; PIN_NUMBER "F11" at 241.166,190.5 h0.24; PIN_NUMBER "E11" at 241.166,191.5 h0.24; PIN_NUMBER "F12" at 242.166,190.5 h0.24; PIN_NUMBER "E12" at 242.166,191.5 h0.24; PIN_NUMBER "E13" at 243.166,191.5 h0.24; PIN_NUMBER "P5" at 234.854,182.5 h0.24; PIN_NUMBER "N6" at 235.854,183.5 h0.24; PIN_NUMBER "N5" at 234.854,183.5 h0.24; PIN_NUMBER "M5" at 234.854,184.5 h0.24; PIN_NUMBER "M6" at 235.854,184.5 h0.24; PIN_NUMBER "M7" at 236.854,184.5 h0.24; PIN_NUMBER "K5" at 234.854,186.5 h0.24; PIN_NUMBER "K6" at 235.854,186.5 h0.24; PIN_NUMBER "K7" at 236.854,186.5 h0.24; PIN_NUMBER "H5" at 234.854,188.5 h0.24; PIN_NUMBER "H6" at 235.854,188.5 h0.24; PIN_NUMBER "H7" at 236.854,188.5 h0.24; PIN_NUMBER "P6" at 235.854,182.5 h0.24; PIN_NUMBER "N7" at 236.854,183.5 h0.24; PIN_NUMBER "P7" at 236.854,182.5 h0.24; PIN_NUMBER "N8" at 237.854,183.5 h0.24; PIN_NUMBER "P8" at 237.854,182.5 h0.24; PIN_NUMBER "P10" at 239.936,182.5 h0.24; PIN_NUMBER "N10" at 239.936,183.5 h0.24; PIN_NUMBER "D12" at 242.166,192.5 h0.24; PIN_NUMBER "G15" at 245.166,189.5 h0.24; PIN_NUMBER "M15" at 245.166,184.5 h0.24; PIN_NUMBER "G18" at 248.166,189.5 h0.24; PIN_NUMBER "R15" at 245.166,181.5 h0.24; PIN_NUMBER "P15" at 245.166,182.5 h0.24; PIN_NUMBER "J15" at 245.166,187.5 h0.24; PIN_NUMBER "F15" at 245.166,190.5 h0.24; PIN_NUMBER "E15" at 245.166,191.5 h0.24; PIN_NUMBER "D15" at 245.166,192.5 h0.24; PIN_NUMBER "V17" at 247.166,178.5 h0.24; PIN_NUMBER "U16" at 246.166,179.5 h0.24; PIN_NUMBER "M3" at 232.854,184.5 h0.24; PIN_NUMBER "M1" at 230.624,184.5 h0.24; PIN_NUMBER "R4" at 233.854,181.5 h0.24; PIN_NUMBER "N2" at 231.854,183.5 h0.24; PIN_NUMBER "F3" at 232.854,190.5 h0.24; PIN_NUMBER "D1" at 230.624,192.5 h0.24; PIN_NUMBER "D4" at 233.854,192.5 h0.24; PIN_NUMBER "D3" at 232.854,192.5 h0.24; PIN_NUMBER "C3" at 232.854,193.5 h0.24; PIN_NUMBER "C2" at 231.854,193.5 h0.24; PIN_NUMBER "C1" at 230.624,193.5 h0.24; PIN_NUMBER "B3" at 232.854,194.5 h0.24; PIN_NUMBER "B2" at 231.854,194.5 h0.24; PIN_NUMBER "V2" at 231.854,178.5 h0.24; PIN_NUMBER "V1" at 230.624,178.5 h0.24; PIN_NUMBER "B1" at 230.624,194.5 h0.24; PIN_NUMBER "U3" at 232.854,179.5 h0.24; PIN_NUMBER "U2" at 231.854,179.5 h0.24; PIN_NUMBER "U1" at 230.624,179.5 h0.24; PIN_NUMBER "T3" at 232.854,180.5 h0.24; PIN_NUMBER "T2" at 231.854,180.5 h0.24; PIN_NUMBER "T1" at 230.624,180.5 h0.24; PIN_NUMBER "R2" at 231.854,181.5 h0.24; PIN_NUMBER "R1" at 230.624,181.5 h0.24; PIN_NUMBER "P4" at 233.854,182.5 h0.24; PIN_NUMBER "P3" at 232.854,182.5 h0.24; PIN_NUMBER "A2" at 231.854,195.5 h0.24; PIN_NUMBER "P2" at 231.854,182.5 h0.24; PIN_NUMBER "P1" at 230.624,182.5 h0.24; PIN_NUMBER "N4" at 233.854,183.5 h0.24; PIN_NUMBER "N3" at 232.854,183.5 h0.24; PIN_NUMBER "F2" at 231.854,190.5 h0.24; PIN_NUMBER "F1" at 230.624,190.5 h0.24; PIN_NUMBER "E4" at 233.854,191.5 h0.24; PIN_NUMBER "E3" at 232.854,191.5 h0.24; PIN_NUMBER "E2" at 231.854,191.5 h0.24; PIN_NUMBER "E1" at 230.624,191.5 h0.24; PIN_NUMBER "A1" at 230.624,195.5 h0.24; PIN_NUMBER "R3" at 232.854,181.5 h0.24; PIN_NUMBER "N1" at 230.624,183.5 h0.24; PIN_NUMBER "F4" at 233.854,190.5 h0.24; PIN_NUMBER "D2" at 231.854,192.5 h0.24; PIN_NUMBER "J4" at 233.854,187.5 h0.24; PIN_NUMBER "J3" at 232.854,187.5 h0.24; PIN_NUMBER "M4" at 233.854,184.5 h0.24; PIN_NUMBER "J1" at 230.624,187.5 h0.24; PIN_NUMBER "J2" at 231.854,187.5 h0.24; PIN_NUMBER "M2" at 231.854,184.5 h0.24; PIN_NUMBER "G1" at 230.624,189.5 h0.24; PIN_NUMBER "G2" at 231.854,189.5 h0.24; PIN_NUMBER "K4" at 233.854,186.5 h0.24; PIN_NUMBER "H2" at 231.854,188.5 h0.24; PIN_NUMBER "L1" at 230.624,185.5 h0.24; PIN_NUMBER "H1" at 230.624,188.5 h0.24; PIN_NUMBER "L2" at 231.854,185.5 h0.24; PIN_NUMBER "G4" at 233.854,189.5 h0.24; PIN_NUMBER "L3" at 232.854,185.5 h0.24; PIN_NUMBER "G3" at 232.854,189.5 h0.24; PIN_NUMBER "L4" at 233.854,185.5 h0.24; PIN_NUMBER "K1" at 230.624,186.5 h0.24; PIN_NUMBER "H4" at 233.854,188.5 h0.24; PIN_NUMBER "K3" at 232.854,186.5 h0.24; PIN_NUMBER "H3" at 232.854,188.5 h0.24; PIN_NUMBER "K2" at 231.854,186.5 h0.24